# Altium PCB Arduino_StepperPrototype.PcbDoc
Units mil, origin at the board's own origin, x right, y up, seen from the top; angles counter-clockwise.
Board outline 3840 x 2200 mil, 2 copper layers (Top Layer, Bottom Layer); 10 components, 38 nets, 124 pads, 0 vias.
Unrouted connection lines stored in the file: 11.
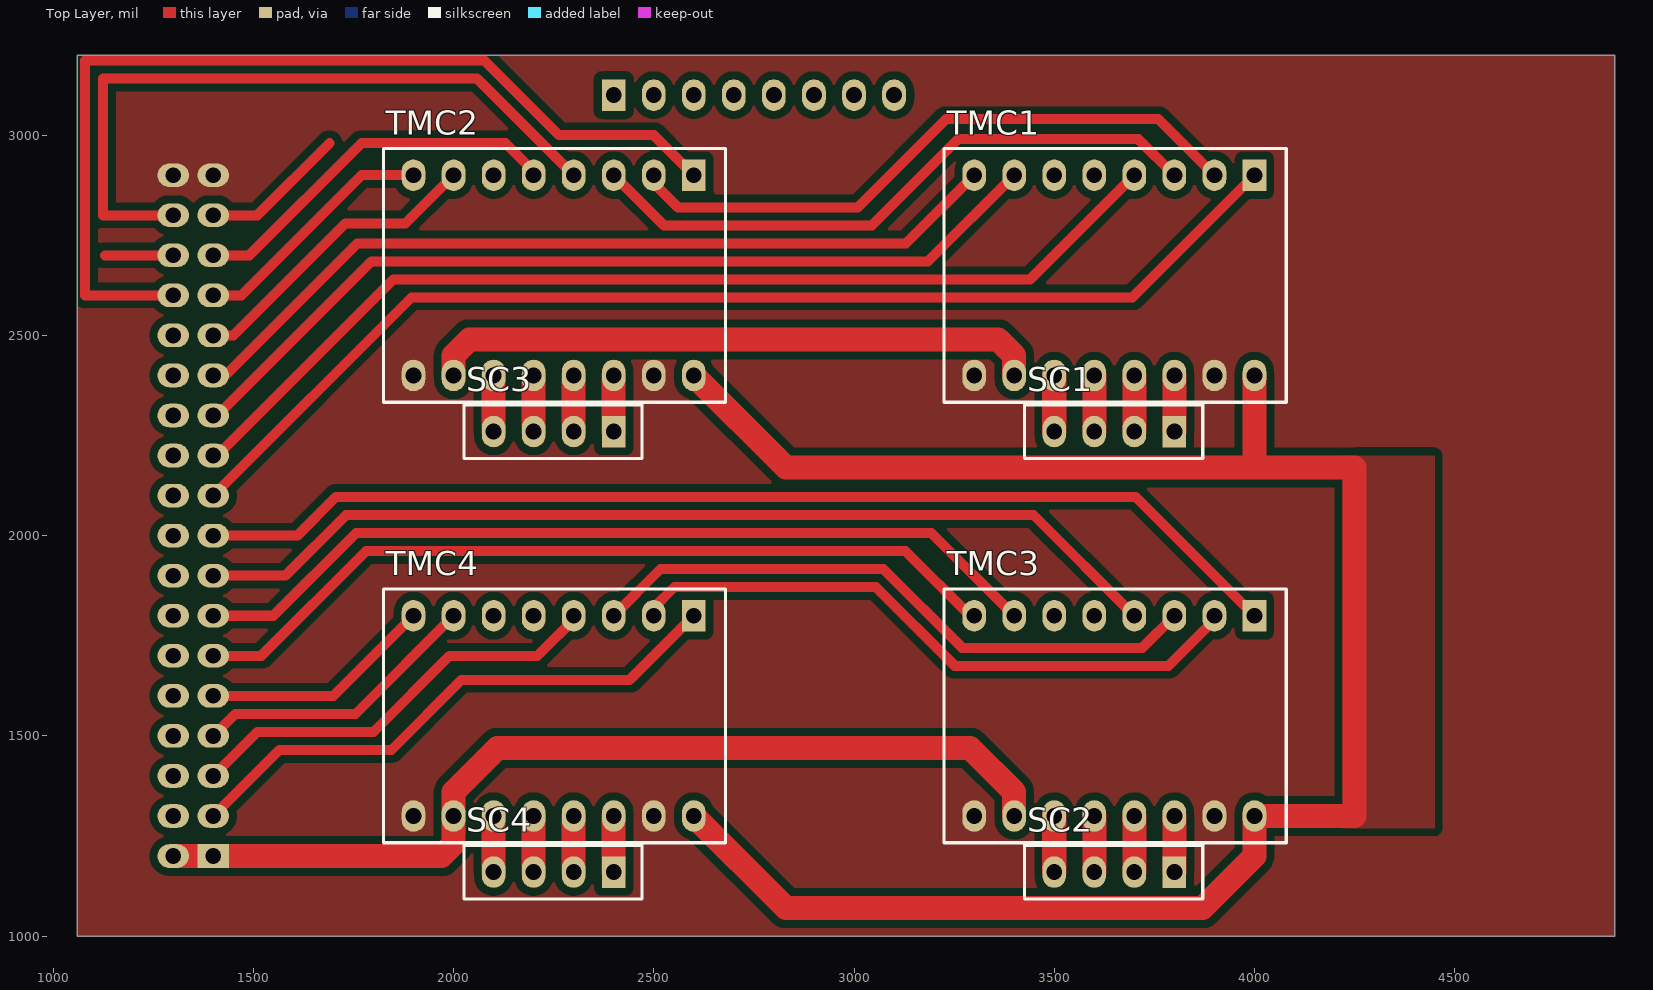
[diagram p0: Top Layer view]
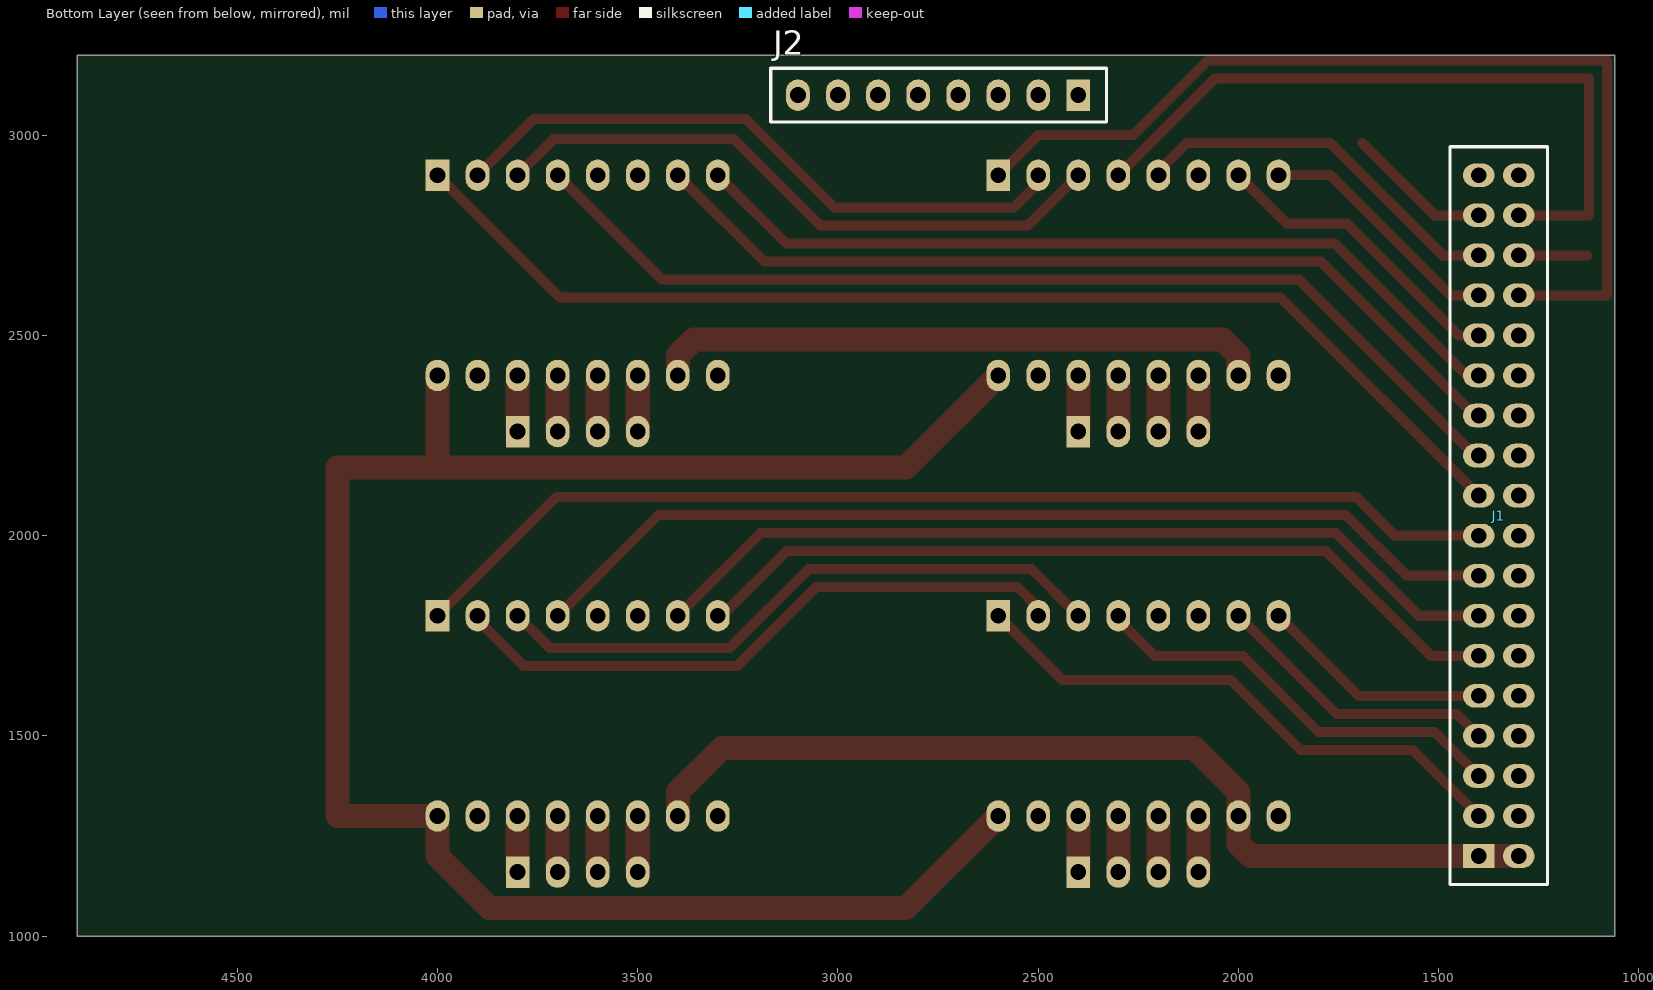
[diagram p1: Bottom Layer view, seen from below]

## Layer stack, top to bottom
Top Solder: solder mask 0.4, Solder Resist, Dk 3.5
Top Layer: signal copper 1.4
Dielectric 1: dielectric 12.6, FR-4, Dk 4.8
Bottom Layer: signal copper 1.4
Bottom Solder: solder mask 0.4, Solder Resist, Dk 3.5

## Board outline
1060,1000 4900,1000 4900,3200 1060,3200

## Design rules (kind name [scope] priority, off if disabled: settings)
Clearance Clearance_1 [InPolygon] p1: gap=20 ignorepadtopadclearanceinfootprint=FALSE
Clearance [All] p2: gap=20 ignorepadtopadclearanceinfootprint=FALSE
ComponentClearance [InComponent('J1') vs InComponent('J2')] p1: gap=0 collisioncheckmode=3 verticalgap=0 showdistances=FALSE
ComponentClearance ComponentClearance_1 [All] p2: gap=10 collisioncheckmode=3 verticalgap=10 showdistances=FALSE
PolygonConnect [All] p1: connectstyle=Direct reliefconductorwidth=10 reliefentries=4 polygonreliefangle="90 Angle" airgapwidth=10
RoutingVias [All] p1: holewidth=28 width=50 viastyle="Through Hole" minholewidth=28 minwidth=50 maxholewidth=28 maxwidth=50
SolderMaskExpansion [All] p1: expansion=4
Width [All] p1: maxlimit=100 minlimit=10 preferedwidth=10
29 further rules are at their usual default settings.

## Components (designator, comment, footprint, x,y, rotation, side; value= is the part's Value field where it differs from the comment)
J1 "CONN HEADER .100\" MALE 36POS" DIP36_MALE 1400,1200 r0 bottom locked
J2 "CONN HEADER 8 POS MALE" DIP8_MALE 2400,3100 r270 bottom locked
SC1 "StepperConnector" DIP4 3800,2260 r270 top
SC2 "StepperConnector" DIP4 3800,1160 r270 top
SC3 "StepperConnector" DIP4 2400,2260 r270 top
SC4 "StepperConnector" DIP4 2400,1160 r270 top
TMC1 "TMC2130" DIP16_Stepper 4000,2900 r270 top
TMC2 "TMC2130" DIP16_Stepper 2600,2900 r270 top
TMC3 "TMC2130" DIP16_Stepper 4000,1800 r270 top
TMC4 "TMC2130" DIP16_Stepper 2600,1800 r270 top

## Footprints (in the part's own frame and the unit in brackets; to place one, negate y for a bottom-side part, rotate by r counter-clockwise, add the part's x,y. Pads: shape width x height; smd on the part's side, far side on the other; paste and mask are expansions set on the pad)
DIP4 [mm]
  rect 2x1.5 hole 1: 1(0,0)
  oval 2x1.5 hole 1: 2(0,-2.54) 3(0,-5.08) 4(0,-7.62)
  silkscreen extent -1.7,-9.5 1.7,1.8
DIP8_MALE [mm]
  rect 2x1.5 hole 1: 1(0,0)
  oval 2x1.5 hole 1: 2(0,-2.54) 3(0,-5.08) 4(0,-7.62) 5(0,-10.16) 6(0,-12.7) 7(0,-15.24) 8(0,-17.78)
  silkscreen extent -1.7,-19.5 1.7,1.8, body extent -1.27,-19.05 1.27,1.27, height 8.38
DIP16_Stepper [mm]
  rect 2x1.5 hole 1: 1(0,0)
  oval 2x1.5 hole 1: 2(0,-2.54) 3(0,-5.08) 4(0,-7.62) 5(0,-10.16) 6(0,-12.7) 7(0,-15.24) 8(0,-17.78) 9(12.7,-17.78) 10(12.7,-15.24) 11(12.7,-12.7) 12(12.7,-10.16) 13(12.7,-7.62) 14(12.7,-5.08) 15(12.7,-2.54) 16(12.7,0)
  silkscreen extent -1.7,-19.69 14.4,2.01, body extent -1.27,-19.3 13.97,1.52, height 21.29
DIP36_MALE [mm]
  rect 2x1.5 hole 1: 1(0,0)
  oval 2x1.5 hole 1: 2(0,-2.54) 3(0,-5.08) 4(0,-7.62) 5(0,-10.16) 6(0,-12.7) 7(0,-15.24) 8(0,-17.78) 9(0,-20.32) 10(0,-22.86) 11(0,-25.4) 12(0,-27.94) 13(0,-30.48) 14(0,-33.02) 15(0,-35.56) 16(0,-38.1) 17(0,-40.64) 18(0,-43.18) 19(-2.54,-43.18) 20(-2.54,-40.64) 21(-2.54,-38.1) 22(-2.54,-35.56) 23(-2.54,-33.02) 24(-2.54,-30.48) 25(-2.54,-27.94) 26(-2.54,-25.4) 27(-2.54,-22.86) 28(-2.54,-20.32) 29(-2.54,-17.78) 30(-2.54,-15.24) 31(-2.54,-12.7) 32(-2.54,-10.16) 33(-2.54,-7.62) 34(-2.54,-5.08) 35(-2.54,-2.54) 36(-2.54,0)
  silkscreen extent -4.37,-44.99 1.83,1.81, body extent -7.67,-50.76 100.28,2.58, height 15.4

## Part data
J1: library part PREC018DAAN-RC, "CONN HEADER .100\" DUAL STR 36POS", Color=Black, Manufacturer=Sullins, Standard Package=1, Supplier Part Number 1=S2012EC-18-ND, Category="Connectors, Interconnects", ComponentLink1Description=https://drawings-pdf.s3.amazonaws.com/11636.pdf?src-supplier=Digi-Key, ComponentLink1URL=https://drawings-pdf.s3.amazonaws.com/11636.pdf?src-supplier=Digi-Key, Connector Type="Header, Unshrouded, Breakaway", Contact Finish=Tin, Contact Finish Thickness=-, Contact Mating Length="0.230\" (5.84mm)", Contact Type="Male Pin", Family="Rectangular Connectors - Headers, Male Pins", Fastening Type=-, Features=-, Manufacturer Part Number=PREC018DAAN-RC, Mounting Type="Through Hole", Number of Positions=36, Number of Positions Loaded=All, Number of Rows=2, Online Catalog="0.100\" (2.54mm) Pitch Connector Headers", Other Names="S9500E-18  S9500E-18-ND", Packaging=Bulk, Pitch="0.100\" (2.54mm)", Pricing 1="1=0.69, 10=0.643, 25=0.5788, 50=0.5146, 100=0.4931, 250=0.4502, 500=0.4288 (USD)", Row Spacing="0.100\" (2.54mm)", Series=-, Stock 1=154, Supplier 1=Digi-Key, Termination=Solder
J2: library part PREC008SAAN-RC, Color=Black, Manufacturer=Sullins, Standard Package=1, Supplier Part Number 1=S1012EC-08-ND, Category="Connectors, Interconnects", ComponentLink1Description=https://media.digikey.com/PDF/Data%20Sheets/Sullins%20PDFs/z%20RzCzzzSzzN-RC,%20ST,11635-B.pdf?src-supplier=Digi-Key, ComponentLink1URL=https://media.digikey.com/PDF/Data%20Sheets/Sullins%20PDFs/z%20RzCzzzSzzN-RC,%20ST,11635-B.pdf?src-supplier=Digi-Key, Connector Type="Header, Unshrouded, Breakaway", Contact Finish=Tin, Contact Finish Thickness=-, Contact Mating Length="0.230\" (5.84mm)", Contact Type="Male Pin", Family="Rectangular Connectors - Headers, Male Pins", Fastening Type=-, Features=-, Manufacturer Part Number=PREC008SAAN-RC, Mounting Type="Through Hole", Number of Positions=8, Number of Positions Loaded=All, Number of Rows=1, Online Catalog="0.100\" (2.54mm) Pitch Connector Headers", Other Names="S9499E-08  S9499E-08-ND", Packaging=Bulk, Pitch="0.100\" (2.54mm)", Pricing 1="1=0.19, 10=0.178, 25=0.152, 50=0.133, 100=0.1236, 250=0.1093, 500=0.1045 (USD)", Row Spacing=-, Series=-, Stock 1=3273, Supplier 1=Digi-Key, Termination=Solder
SC1 SC2 SC3 SC4: library part StepperConn
TMC1 TMC2 TMC3 TMC4: library part SilentStepStick_BigTreeTech_TMC2130V1.1, "Knockoff SilentStepStick"

## Nets (pads, with @x,y where several pads share a name; then routed paths per layer and width w, separated by ;. In a path a pad name is that pad's centre, name@x,y a point inside that pad or via, vN(x,y) a via of type N, cw(c..) or ccw(c..) an arc to the next point about the centre after c; other vN are vias at no path point)
5V: J1.1 J1.36 TMC1.10 TMC2.10 TMC3.10 TMC4.10 | length 3926.7
  Top Layer w60: J1.36 J1.1 1970,1200 2000,1230 TMC4.10 2000,1360 2110,1470 3290,1470 3400,1360 TMC3.10 ; TMC2.10 2000,2450 2040,2490 3360,2490 3400,2450 TMC1.10
CS1: J1.11 TMC1.4 | length 2589.9
  Top Layer w25: J1.11 1410,2200 1850,2640 3440,2640 TMC1.4
CS2: J1.20 TMC2.4 | length 1790.8
  Top Layer w25: J1.20 1125,2800 1125,3141 2059,3141 TMC2.4
CS3: J1.8 TMC3.4 | length 2467.2
  Top Layer w25: J1.8 1580,1900 1731.87,2051.87 3448.13,2051.87 TMC3.4
CS4: J1.3 TMC4.4 | length 1085.7
  Top Layer w25: J1.3 1510,1510 1800,1510 1990,1700 2210,1700 2310,1800 TMC4.4
DIR1: J1.13 TMC1.8 | length 2107.1
  Top Layer w25: J1.13 1430,2400 1760,2730 3130,2730 TMC1.8
DIR2: J1.15 TMC2.8 | length 624.3
  Top Layer w25: J1.15 1470,2600 1770,2900 TMC2.8
DIR3: J1.6 TMC3.8 | length 2075.5
  Top Layer w25: J1.6 1520,1700 1781.87,1961.87 3128.13,1961.87 3290,1800 TMC3.8
DIR4: J1.5 TMC4.8 | length 582.8
  Top Layer w25: J1.5 1700,1600 TMC4.8
EN1: J1.10 TMC1.1 | length 2931.4
  Top Layer w25: J1.10 1895,2595 3695,2595 TMC1.1
EN2: J1.22 TMC2.1 | length 2444.5
  Top Layer w25: J1.22 1080,2600 1080,3186 2077.64,3186 2263.64,3000 2500,3000 TMC2.1
EN3: J1.9 TMC3.1 | length 2763.1
  Top Layer w25: J1.9 1610,2000 1706.87,2096.87 3703.13,2096.87 TMC3.1
EN4: J1.2 TMC4.1 | length 1407.1
  Top Layer w25: J1.2 1565,1465 1845,1465 2020,1640 2440,1640 TMC4.1
GND: J1.18 J1.19 TMC1.9 TMC1.15 TMC2.9 TMC2.15 TMC3.9 TMC3.15 TMC4.9 TMC4.15
MISO: J1.16 TMC1.5 TMC2.5 TMC3.5 TMC4.5 | length 955
  Top Layer w25: J1.16 1490,2700 1770,2980 2130,2980 2200,2910 TMC2.5
MOSI: J1.21 TMC1.2 TMC2.2 TMC3.2 TMC4.2 | length 3344.6
  Top Layer w25: 1130,2700 J1.21 ; TMC4.2 2500,1820 2551.87,1871.87 3054.49,1871.87 3251.36,1675 3785,1675 3900,1790 TMC3.2 ; TMC2.2 2500,2880 2560,2820 3010,2820 3230,3040 3760,3040 TMC1.2
NetSC1_1: SC1.1 TMC1.14 | length 140
  Top Layer w60: SC1.1 TMC1.14
NetSC1_2: SC1.2 TMC1.13 | length 140
  Top Layer w60: SC1.2 TMC1.13
NetSC1_3: SC1.3 TMC1.12 | length 140
  Top Layer w60: SC1.3 TMC1.12
NetSC1_4: SC1.4 TMC1.11 | length 140
  Top Layer w60: SC1.4 TMC1.11
NetSC2_1: SC2.1 TMC3.14 | length 140
  Top Layer w60: SC2.1 TMC3.14
NetSC2_2: SC2.2 TMC3.13 | length 140
  Top Layer w60: SC2.2 TMC3.13
NetSC2_3: SC2.3 TMC3.12 | length 140
  Top Layer w60: SC2.3 TMC3.12
NetSC2_4: SC2.4 TMC3.11 | length 140
  Top Layer w60: SC2.4 TMC3.11
NetSC3_1: SC3.1 TMC2.14 | length 140
  Top Layer w60: SC3.1 TMC2.14
NetSC3_2: SC3.2 TMC2.13 | length 140
  Top Layer w60: SC3.2 TMC2.13
NetSC3_3: SC3.3 TMC2.12 | length 140
  Top Layer w60: SC3.3 TMC2.12
NetSC3_4: SC3.4 TMC2.11 | length 140
  Top Layer w60: SC3.4 TMC2.11
NetSC4_1: SC4.1 TMC4.14 | length 140
  Top Layer w60: SC4.1 TMC4.14
NetSC4_2: SC4.2 TMC4.13 | length 140
  Top Layer w60: SC4.2 TMC4.13
NetSC4_3: SC4.3 TMC4.12 | length 140
  Top Layer w60: SC4.3 TMC4.12
NetSC4_4: SC4.4 TMC4.11 | length 140
  Top Layer w60: SC4.4 TMC4.11
SCK: J1.17 TMC1.3 TMC2.3 TMC3.3 TMC4.3 | length 3505.8
  Top Layer w25: J1.17 1510,2800 1690,2980 ; TMC4.3 2516.87,1916.87 3073.13,1916.87 3270,1720 3720,1720 TMC3.3 ; TMC2.3 2525,2775 3045,2775 3260,2990 3710,2990 TMC1.3
STP1: J1.12 TMC1.7 | length 2248.5
  Top Layer w25: J1.12 1410,2300 1795,2685 3185,2685 TMC1.7
STP2: J1.14 TMC2.7 | length 765.7
  Top Layer w25: J1.14 1450,2500 1730,2780 1880,2780 TMC2.7
STP3: J1.7 TMC3.7 | length 2171.4
  Top Layer w25: J1.7 1550,1800 1756.87,2006.87 3193.13,2006.87 TMC3.7
STP4: J1.4 TMC4.7 | length 724.3
  Top Layer w25: J1.4 1455,1555 1755,1555 TMC4.7
VMOTOR: TMC1.16 TMC2.16 TMC3.16 TMC4.16 | length 4744.4
  Top Layer w60: TMC4.16 2830,1070 3870,1070 4000,1200 TMC3.16 4250,1300 4250,2170 4000,2170 ; TMC2.16 2830,2170 4000,2170 ; TMC1.16 4000,2170
pads on no net: J1.23 J1.24 J1.25 J1.26 J1.27 J1.28 J1.29 J1.30 J1.31 J1.32 J1.33 J1.34 J1.35 J2.1 J2.2 J2.3 J2.4 J2.5 J2.6 J2.7 J2.8 TMC1.6 TMC2.6 TMC3.6 TMC4.6

## Polygon pours and split planes (outlines as drawn)
GND on Top Layer "Top Layer-No Net" (solid, pour order 4): 1060,3200 1060,1000 4900,1000 4900,3200
VMOTOR on Top Layer "Top Layer-No Net" (solid, pour order 2): 4220,2200 4220,1270 4450,1270 4450,2200